# Altium PCB mantarray_beta2_sensor_arrayed.PcbDoc (part 2 of 4) (continued)
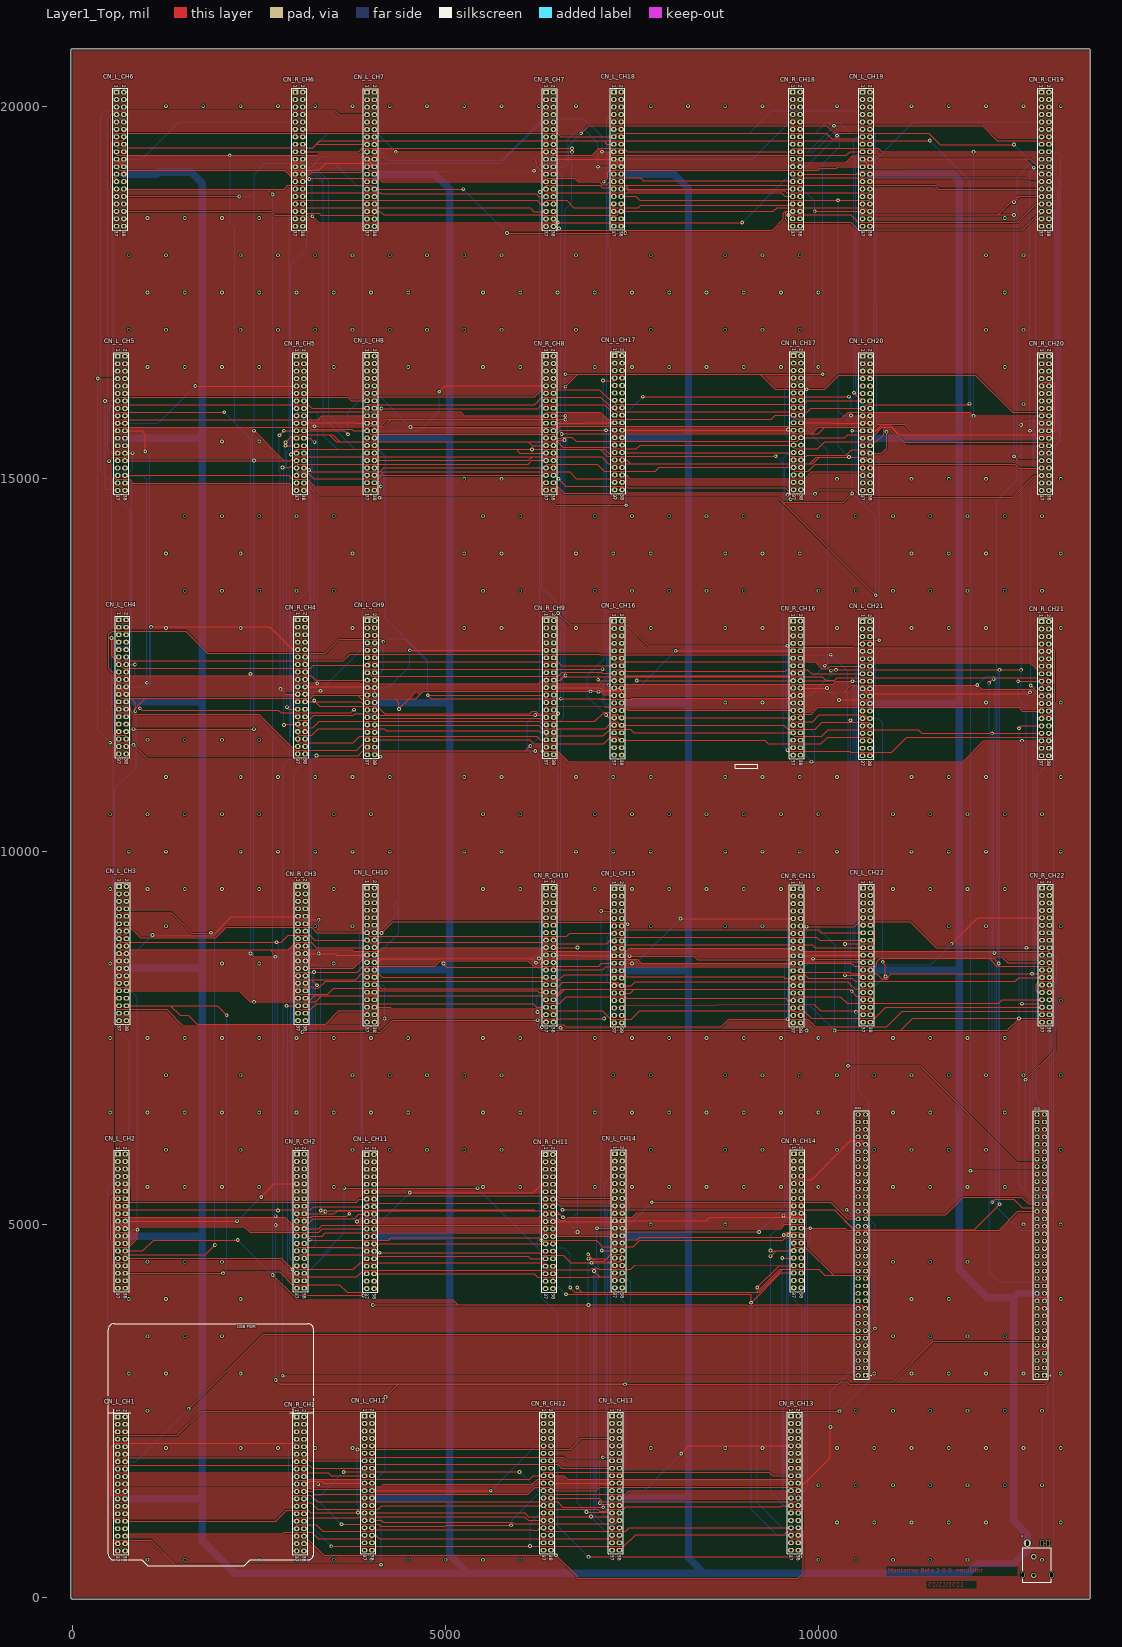
[diagram p0: Layer1_Top view]
## Nets (pads, with @x,y where several pads share a name; then routed paths per layer and width w, separated by ;. In a path a pad name is that pad's centre, name@x,y a point inside that pad or via, vN(x,y) a via of type N, cw(c..) or ccw(c..) an arc to the next point about the centre after c; other vN are vias at no path point) (continued)
CHN_BT0_18: CN_L_CH18.27 CN_L_CH19.7 | length 4339.3
  Layer8_BOT w10: CN_L_CH18.27@7255.39,18888.43 7211.97,18888.43 7200.39,18900 7200.39,19020 7180.39,19040 7180.39,19600 7216.39,19636 9074,19636 9374,19936 10495.8,19936 10544,19887.8 CN_L_CH19.7@10592.46,19887.8
CHN_BT0_19: CN_L_CH19.27 CN_L_CH20.7 | length 2807.1
  Layer8_BOT w10: CN_L_CH19.27@10592.46,18887.8 10592.46,18849.54 10604,18838 10720,18838 10748,18810 10748,16693.62 10749,16692.62 10749,16420 10722,16393 10606.98,16393 10593.98,16380 CN_L_CH20.7@10593.98,16345.12
CHN_BT0_20: CN_L_CH20.27 CN_L_CH21.7 | length 2967
  Layer1_Top w10: CN_L_CH21.7@10592.01,12786.06 10592.01,12820 10608.01,12836 v2(10816,12836)
  Layer8_BOT w10: CN_L_CH20.27@10593.98,15345.12 10593.98,15310 10606.98,15297 10780,15297 10816,15261 v2(10816,12836)
CHN_BT0_21: CN_L_CH21.27 CN_L_CH22.7 | length 2654.6
  Layer8_BOT w10: CN_L_CH21.27@10592.01,11786.06 10576,11786.06 10576,11750 10537.01,11711.01 10537.01,11258.99 10544.88,11251.12 10544.88,9229.38 10563,9211.26 CN_L_CH22.7@10599.88,9211.26
CHN_BT0_22: CN_L_CH22.27
CHN_IN_RST: CN12.43 CN_L_CH1.14 CN_L_CH1.25 | length 13147.9
  Layer1_Top w10: v2(1553,2525) 2557,3529 10684,3529 v2(10760,3605)
  Layer8_BOT w10: CN_L_CH1.25@600.91,1217.8 588,1217.8 588,1250 501.97,1336.03 501.97,1696.06 571.2,1765.3 690,1765.3 700.91,1776.2 CN_L_CH1.14@700.91,1817.8 845.8,1817.8 v2(1553,2525) ; CN12.43@10633.8,5073.62 10680,5073.62 10760,4993.62 v2(10760,3605)
CHN_IN_RST_CH2: CN_L_CH2.14 CN_L_CH2.25 | length 919.8
  Layer1_Top w10: CN_L_CH2.25@603.88,4743.31 560,4743.31 508,4795.31 508,5339 560,5391 685,5391 696,5380 696,5343.31 CN_L_CH2.14@703.88,5343.31
CHN_IN_RST_CH3: CN_L_CH3.14 CN_L_CH3.25 | length 776.6
  Layer1_Top w10: CN_L_CH3.25@619.57,8332.91 583,8332.91 583,8366 564,8385 564,8860 587,8883 702.57,8883 719.57,8900 CN_L_CH3.14@719.57,8932.91
CHN_IN_RST_CH4: CN_L_CH4.14 CN_L_CH4.25 | length 976.2
  Layer1_Top w10: CN_L_CH4.14@715.14,12509.69 v2(831,12509.69)
  Layer8_BOT w10: CN_L_CH4.25@615.14,11909.69 615.14,11950 602.95,11962.19 577.95,11962.19 560.14,11980 560.14,12238.14 580,12258 769,12258 831,12320 v2(831,12509.69)
CHN_IN_RST_CH5: CN_L_CH5.14 CN_L_CH5.25 | length 923.7
  Layer8_BOT w10: CN_L_CH5.25@599.88,15445.12 599.88,15476 548,15476 504,15520 504,16040 557,16093 680,16093 692,16081 692,16045.12 CN_L_CH5.14@699.88,16045.12
CHN_IN_RST_CH6: CN_L_CH6.14 CN_L_CH6.25 | length 784.3
  Layer1_Top w10: CN_L_CH6.25@584.19,18987.8 584.19,19030 573.9,19040.3 540,19040.3 529.19,19051.1 529.19,19527.19 540,19538 672.19,19538 684.19,19550 CN_L_CH6.14@684.19,19587.8
CHN_IN_RST_CH7: CN_L_CH7.14 CN_L_CH7.25 | length 789.3
  Layer8_BOT w10: CN_L_CH7.25@3946.34,18986.46 3900,18986.46 3880,19006.46 3880,19496 3920,19536 4032.34,19536 4046.34,19550 CN_L_CH7.14@4046.34,19586.46
CHN_IN_RST_CH8: CN_L_CH8.14 CN_L_CH8.25 | length 779.7
  Layer8_BOT w10: CN_L_CH8.25@3946.34,15447.09 3903.91,15447.09 3891,15460 3891,15970 3920,15999 4035.34,15999 4046.34,16010 CN_L_CH8.14@4046.34,16047.09
CHN_IN_RST_CH9: CN_L_CH9.14 CN_L_CH9.25 | length 784.1
  Layer8_BOT w10: CN_L_CH9.25@3950.28,11899.84 3905.16,11899.84 3895,11910 3895,12425 3920,12450 4040.28,12450 4050.28,12460 CN_L_CH9.14@4050.28,12499.84
CHN_IN_RST_CH10: CN_L_CH10.14 CN_L_CH10.25 | length 805.1
  Layer8_BOT w10: CN_L_CH10.25@3946.34,8313.23 3891,8313.23 3891,8545.73 3871.34,8565.39 3871.34,8820.34 3912,8861 4030,8861 4046.34,8877.34 CN_L_CH10.14@4046.34,8913.23
CHN_IN_RST_CH11: CN_L_CH11.14 CN_L_CH11.25 | length 773.8
  Layer8_BOT w10: CN_L_CH11.25@3940.43,4738.43 3937.57,4738.43 3865.43,4810.57 3865.43,5240.43 3913,5288 4030,5288 4040.43,5298.43 CN_L_CH11.14@4040.43,5338.43
CHN_IN_RST_CH12: CN_L_CH12.14 CN_L_CH12.25 | length 783.5
  Layer8_BOT w10: CN_L_CH12.25@3912.87,1228.58 3869.27,1228.58 3857,1240.85 3857,1754 3880,1777 4000,1777 4012.87,1789.87 CN_L_CH12.14@4012.87,1828.58
CHN_IN_RST_CH13: CN_L_CH13.14 CN_L_CH13.25 | length 1082.1
  Layer1_Top w10: v2(7069,1262) 7086,1245 7224,1245 7224,1228.58 CN_L_CH13.25@7231.77,1228.58 ; v2(7109,1877) 7320,1877 7331.77,1865.23 CN_L_CH13.14@7331.77,1828.58
  Layer8_BOT w10: v2(7069,1262) 7069,1837 v2(7109,1877)
CHN_IN_RST_CH14: CN_L_CH14.14 CN_L_CH14.25 | length 909.1
  Layer8_BOT w10: CN_L_CH14.25@7270.02,4748.03 7270.02,4779 7248.02,4801 7240,4801 7215.02,4825.98 7215.02,5070.55 7240,5095.53 7430.18,5095.53 7462.6,5127.95 7462.6,5305.43 7420,5348.03 CN_L_CH14.14@7370.02,5348.03
CHN_IN_RST_CH15: CN_L_CH15.14 CN_L_CH15.25 | length 784.9
  Layer8_BOT w10: CN_L_CH15.25@7262.15,8302.76 7262.15,8342.85 7250,8355 7232.15,8355 7187.15,8400 7187.15,8811.15 7229,8853 7350,8853 7362.15,8865.15 CN_L_CH15.14@7362.15,8902.76
CHN_IN_RST_CH16: CN_L_CH16.14 CN_L_CH16.25 | length 824.8
  Layer8_BOT w10: CN_L_CH16.25@7261.3,11893.94 7258.36,11893.94 7126.3,12026 7126.3,12232.74 7206.3,12312.74 7206.3,12425.3 7225,12444 7350,12444 CN_L_CH16.14@7361.3,12493.94
CHN_IN_RST_CH17: CN_L_CH17.14 CN_L_CH17.25 | length 762.2
  Layer8_BOT w10: CN_L_CH17.25@7267.2,15452.99 7267.2,15490 7252.2,15505 7240,15505 7212.2,15532.8 7212.2,15981.2 7234,16003 7350.2,16003 7367.2,16020 CN_L_CH17.14@7367.2,16052.99
CHN_IN_RST_CH18: CN_L_CH18.14 CN_L_CH18.25 | length 765.3
  Layer8_BOT w10: CN_L_CH18.25@7255.39,18988.43 7240,18988.43 7240,19023.83 7200.39,19063.44 7200.39,19520 7216.39,19536 7341.39,19536 CN_L_CH18.14@7355.39,19588.43
CHN_IN_RST_CH19: CN_L_CH19.14 CN_L_CH19.25 | length 887.9
  Layer8_BOT w10: CN_L_CH19.25@10592.46,18987.8 10549.2,18987.8 10537,19000 10537,19314 10560,19337 10725,19337 10748,19360 10748,19587.8 CN_L_CH19.14@10692.46,19587.8
CHN_IN_RST_CH20: CN_L_CH20.14 CN_L_CH20.25 | length 758.5
  Layer8_BOT w10: CN_L_CH20.25@10593.98,15445.12 10591.86,15445.12 10538.98,15498 10538.98,15971.98 10560,15993 10680,15993 10693.98,16006.98 CN_L_CH20.14@10693.98,16045.12
CHN_IN_RST_CH21: CN_L_CH21.14 CN_L_CH21.25 | length 760.2
  Layer8_BOT w10: CN_L_CH21.25@10592.01,11886.06 10589.94,11886.06 10537.01,11939 10537.01,12416.01 10557,12436 10680,12436 10692.01,12448.01 CN_L_CH21.14@10692.01,12486.06
CHN_IN_RST_CH22: CN_L_CH22.14 CN_L_CH22.25 | length 1261.6
  Layer1_Top w10: v2(10358,8343) 10423,8343 10425,8341 10574.88,8341 10599.88,8316 CN_L_CH22.25@10599.88,8311.26 ; v2(10358,8761) 10738,8761 10755,8778 10755,8900 10743.74,8911.26 CN_L_CH22.14@10699.88,8911.26
  Layer8_BOT w10: v2(10358,8343) v2(10358,8761)
E5V: CN11.6
GND: CN11.8 CN11.19 CN11.20 CN11.22 CN11.49 CN11.60 CN12.9 CN12.20 CN12.39 CN12.54 CN12.63 CN_L_CH1.19 CN_L_CH1.20 CN_L_CH1.22 CN_L_CH2.19 CN_L_CH2.20 CN_L_CH2.22 CN_L_CH3.19 CN_L_CH3.20 CN_L_CH3.22 CN_L_CH4.19 CN_L_CH4.20 CN_L_CH4.22 CN_L_CH5.19 CN_L_CH5.20 CN_L_CH5.22 CN_L_CH6.19 CN_L_CH6.20 CN_L_CH6.22 CN_L_CH7.19 CN_L_CH7.20 CN_L_CH7.22 CN_L_CH8.19 CN_L_CH8.20 CN_L_CH8.22 CN_L_CH9.19 CN_L_CH9.20 CN_L_CH9.22 CN_L_CH10.19 CN_L_CH10.20 CN_L_CH10.22 CN_L_CH11.19 CN_L_CH11.20 CN_L_CH11.22 CN_L_CH12.19 CN_L_CH12.20 CN_L_CH12.22 CN_L_CH13.19 CN_L_CH13.20 CN_L_CH13.22 CN_L_CH14.19 CN_L_CH14.20 CN_L_CH14.22 CN_L_CH15.19 CN_L_CH15.20 CN_L_CH15.22 CN_L_CH16.19 CN_L_CH16.20 CN_L_CH16.22 CN_L_CH17.19 CN_L_CH17.20 CN_L_CH17.22 CN_L_CH18.19 CN_L_CH18.20 CN_L_CH18.22 CN_L_CH19.19 CN_L_CH19.20 CN_L_CH19.22 CN_L_CH20.19 CN_L_CH20.20 CN_L_CH20.22 CN_L_CH21.19 CN_L_CH21.20 CN_L_CH21.22 CN_L_CH22.19 CN_L_CH22.20 CN_L_CH22.22 CN_R_CH1.9 CN_R_CH1.20 CN_R_CH2.9 CN_R_CH2.20 CN_R_CH3.9 CN_R_CH3.20 CN_R_CH4.9 CN_R_CH4.20 CN_R_CH5.9 CN_R_CH5.20 CN_R_CH6.9 CN_R_CH6.20 CN_R_CH7.9 CN_R_CH7.20 CN_R_CH8.9 CN_R_CH8.20 CN_R_CH9.9 CN_R_CH9.20 CN_R_CH10.9 CN_R_CH10.20 CN_R_CH11.9 CN_R_CH11.20 CN_R_CH12.9 CN_R_CH12.20 CN_R_CH13.9 CN_R_CH13.20 CN_R_CH14.9 CN_R_CH14.20 CN_R_CH15.9 CN_R_CH15.20 CN_R_CH16.9 CN_R_CH16.20 CN_R_CH17.9 CN_R_CH17.20 CN_R_CH18.9 CN_R_CH18.20 CN_R_CH19.9 CN_R_CH19.20 CN_R_CH20.9 CN_R_CH20.20 CN_R_CH21.9 CN_R_CH21.20 CN_R_CH22.9 CN_R_CH22.20 J1.2 J1.3 | length 125264.9
  Layer1_Top w10: CN_L_CH6.19@584.19,19287.8 584.19,19287.6 684,19187.8 CN_L_CH6.22@684.19,19187.8 ; CN_L_CH5.19@599.88,15745.12 CN_L_CH5.20@699.88,15745.12 ; CN_L_CH1.19@600.91,1517.8 CN_L_CH1.20@700.91,1517.8 ; CN_L_CH2.19@603.88,5043.31 603.88,5042.43 703,4943.31 CN_L_CH2.22@703.88,4943.31 704,4943.31 CN_L_CH2.20@704,5043.31 ; CN_L_CH4.19@615.14,12209.69 615.14,12209.55 715,12109.69 CN_L_CH4.22@715.14,12109.69 ; CN_L_CH3.19@619.57,8632.91 CN_L_CH3.20@719.57,8632.91 ; CN_L_CH5.22@699.88,15645.12 924.88,15645.12 970,15600 v2(970,15366) ; CN_L_CH1.22@700.91,1417.8 700.91,1380 690.91,1370 519.64,1370 513.78,1375.86 513.78,2008.78 571,2066 2990,2066 3000.91,2055.09 CN_R_CH1.9@3000.91,2017.8 ; CN_L_CH2.20@703.88,5043.31 CN_L_CH2.20@704,5043.31 ; v2(1047,13015) 2643,13015 2948.31,12709.69 CN_R_CH4.9@3015.14,12709.69 ; v2(1069,8883) 1079.82,8883 1090.78,8872.05 1875.47,8872.05 2127.43,9124.02 3010.67,9124.02 CN_R_CH3.9@3019.57,9132.91 3019.57,9095.43 3030,9085 v2(3297,9085) ; v2(1643.12,16245.12) CN_R_CH5.9@2999.88,16245.12 ; v2(2202.31,5043.31) CN_L_CH2.20@704,5043.31 ; v2(2527,5368) 2702.31,5543.31 CN_R_CH2.9@3003.88,5543.31 ; CN_R_CH6.20@3084.19,19287.8 3070,19287.8 3070,19261 3049,19240 2949,19240 2929,19220 2929,19160 2949,19140 3298,19140 3392,19234 3980,19234 4002,19212 4002,19186.46 CN_L_CH7.22@4046,19186.46 ; CN_R_CH5.20@3099.88,15745.12 3157.12,15745.12 3165,15753 3801,15753 3806.91,15747.09 CN_L_CH8.19@3946.34,15747.09 CN_L_CH8.20@4046.34,15747.09 ; CN_R_CH1.20@3100.91,1517.8 3139.8,1517.8 3177,1555 3341,1555 3367.42,1528.58 CN_L_CH12.19@3912.87,1528.58 CN_L_CH12.20@4012.87,1528.58 ; CN_R_CH4.20@3115.14,12209.69 3950.28,12209.69 CN_L_CH9.19@3950.28,12199.84 CN_L_CH9.20@4050.28,12199.84 CN_L_CH9.22@4050.28,12099.84 ; CN_R_CH3.20@3119.57,8632.91 v2(3297,8632.91) 3523,8632.91 3542.69,8613.23 CN_L_CH10.19@3946.34,8613.23 CN_L_CH10.20@4046.34,8613.23 ; CN_L_CH11.19@3940.43,5038.43 CN_L_CH11.20@4040.43,5038.43 ; CN_L_CH12.22@4012.87,1428.58 v2(5606,1428.58) ; CN_L_CH10.22@4046.34,8513.23 4093,8513.23 4142.77,8563 6160,8563 v2(6213,8510) ; CN_L_CH7.22@4046.34,19186.46 CN_L_CH7.22@4046,19186.46 ; CN_L_CH7.20@4046.34,19286.46 CN_L_CH7.19@3946.34,19286.46 3946.34,19286.12 CN_L_CH7.22@4046,19186.46 ; v2(4518,5426) 6175,5426 6287.43,5538.43 CN_R_CH11.9@6340.43,5538.43 ; v2(4519.84,12699.84) CN_R_CH9.9@6350.28,12699.84 ; v2(4915,16168) 4994.09,16247.09 CN_R_CH8.9@6346.34,16247.09 ; CN_R_CH12.20@6412.87,1528.58 CN_L_CH13.19@7231.77,1528.58 CN_L_CH13.20@7331.77,1528.58 ; CN_R_CH11.20@6440.43,5038.43 6510.29,5038.43 6512.88,5035.83 CN_L_CH14.19@7282.2,5035.83 ; CN_R_CH10.20@6446.34,8613.23 6780.23,8613.23 6790.7,8602.76 CN_L_CH15.19@7262.15,8602.76 CN_L_CH15.20@7362.15,8602.76 ; CN_R_CH8.20@6446.34,15747.09 6853,15747.09 6858.91,15752.99 CN_L_CH17.19@7267.2,15752.99 CN_L_CH17.20@7367.2,15752.99 ; CN_R_CH7.20@6446.34,19286.46 CN_L_CH18.19@7256.97,19286.46 ; CN_R_CH9.20@6450.28,12199.84 7068,12199.84 7107.15,12160.69 7294.25,12160.69 ; CN_L_CH18.20@7355.39,19288.43 CN_L_CH18.19@7255.39,19288.43 7255.39,19288.03 CN_L_CH18.19@7256.97,19286.46 ; CN_L_CH16.22@7361.3,12093.94 7361.3,12140 7340.61,12160.69 7294.25,12160.69 ; CN_L_CH16.20@7361.3,12193.94 CN_L_CH16.19@7261.3,12193.94 7261.3,12193.64 7294.25,12160.69 ; CN_L_CH17.22@7367.2,15652.99 9581.99,15652.99 v2(9592,15663) ; CN_L_CH14.22@7370.02,4948.03 7370.02,4998 7332.19,5035.83 CN_L_CH14.19@7282.2,5035.83 ; v2(8085,12694) 8085.06,12693.94 CN_R_CH16.9@9661.3,12693.94 ; v2(8151.76,9102.76) CN_R_CH15.9@9662.15,9102.76 ; v2(8160,1926) 8262.58,2028.58 CN_R_CH13.9@9631.77,2028.58 ; v2(9531,5117) 9552,5096 ; CN_R_CH14.9@9670.02,5548.03 9670.02,5590 9680.02,5600 9909,5600 10428,6119 10584,6119 10592,6111 10592,6073.62 CN12.63@10633.8,6073.62 ; CN_R_CH13.20@9731.77,1528.58 9820,1528.58 10162,1870.58 v2(10162,2282) ; CN_R_CH16.20@9761.3,12193.94 v2(10117.06,12193.94) ; CN_R_CH15.20@9762.15,8602.76 9906,8602.76 9914.5,8611.26 CN_L_CH22.19@10599.88,8611.26 CN_L_CH22.20@10699.88,8611.26 ; CN_R_CH17.20@9767.2,15752.99 10176,15752.99 10183.87,15745.12 CN_L_CH20.19@10593.98,15745.12 CN_L_CH20.20@10693.98,15745.12 ; v2(10277,12034) 10680,12034 10680,12074.05 CN_L_CH21.22@10692.01,12086.06 CN_L_CH21.19@10592.01,12186.06 CN_L_CH21.20@10692.01,12186.06 10692.01,12140 10713.01,12119 12823,12119 v2(12840,12136) ; CN_L_CH19.22@10692.46,19187.8 10692,19187.8 10592.46,19287.34 CN_L_CH19.19@10592.46,19287.8 CN_L_CH19.20@10692.46,19287.8 ; CN_L_CH20.22@10693.98,15645.12 10778,15645.12 10843.88,15711 10972,15711 11088,15595 13124,15595 13169,15640 13169,16273 13149,16293 13006.98,16293 CN_R_CH20.9@12993.98,16245.12 ; v2(11788,8763) 12136.26,9111.26 CN_R_CH22.9@12999.88,9111.26 ; CN11.8@12933.8,3273.62 12933.8,3310 12946.8,3323 13060,3323 13085,3348 13085,3860 13071.38,3873.62 CN11.19@13033.8,3873.62 CN11.20@12933.8,3873.62 ; CN11.22@12933.8,3973.62 12933.8,4010 12947.8,4024 13060,4024 13085,4049 13085,5360 13071.38,5373.62 CN11.49@13033.8,5373.62 ; J1.3@13000.24,724.06 J1.2@13078.98,724.06 ; CN_L_CH18.19@7256.97,19286.46 7308.94,19286.46 7355.39,19240 CN_L_CH18.22@7355.39,19188.43 7355,19188.43 CN_L_CH18.19@7256.97,19286.46 ; CN_L_CH14.19@7282.2,5035.83 CN_L_CH14.19@7270.02,5048.03 CN_L_CH14.20@7370.02,5048.03 8496,5048.03 8543.97,5096 9552,5096 ; 9552,5096 9697,5096 ; 9697,5096 9760,5096 9770.02,5085.98 CN_R_CH14.20@9770.02,5048.03 9744.97,5048.03 9697,5096
  Layer8_BOT w10: CN_L_CH5.19@599.88,15745.12 CN_L_CH5.20@699.88,15745.12 ; CN_L_CH4.19@615.14,12209.69 CN_L_CH4.20@715.14,12209.69 ; CN_L_CH3.19@619.57,8632.91 CN_L_CH3.20@719.57,8632.91 ; CN_L_CH6.22@684.19,19187.8 CN_L_CH6.20@684.19,19287.8 924.8,19287.8 1424.8,19787.8 2940,19787.8 ; CN_L_CH5.22@699.88,15645.12 CN_L_CH5.20@699.88,15745.12 ; CN_L_CH1.22@700.91,1417.8 CN_L_CH1.20@700.91,1517.8 ; CN_L_CH4.22@715.14,12109.69 CN_L_CH4.20@715.14,12209.69 ; CN_L_CH3.22@719.57,8532.91 CN_L_CH3.20@719.57,8632.91 ; v2(970,15366) 1032,15304 1032,12241.69 ; v2(1047,13015) 1047,12256.69 1032,12241.69 ; v2(1069,8883) 818.91,8632.91 CN_L_CH3.20@719.57,8632.91 ; v2(1643.12,16245.12) 1143.12,15745.12 CN_L_CH5.20@699.88,15745.12 ; v2(2202.31,5043.31) v2(2527,5368) ; CN_R_CH6.9@2984.19,19787.8 2940,19787.8 ; CN_R_CH5.9@2999.88,16245.12 2985,16245.12 2985,16214 2944.88,16173.88 2944.88,15820 2967.26,15797.62 3082.26,15797.62 3099.88,15780 CN_R_CH5.20@3099.88,15745.12 ; CN_R_CH1.9@3000.91,2017.8 2960,2017.8 2895.67,1953.47 2895.67,1629.33 2957,1568 3090,1568 3100.91,1557.09 CN_R_CH1.20@3100.91,1517.8 ; CN_R_CH4.9@3015.14,12709.69 3015.14,12670 2990.14,12670 2960.14,12640 2960.14,12280 2981.14,12259 3100,12259 3115.14,12243.86 CN_R_CH4.20@3115.14,12209.69 ; CN_R_CH6.20@3084.19,19287.8 3084.19,19323.81 3070,19338 2951,19338 2929,19360 2929,19776.8 2940,19787.8 ; v2(3297,8632.91) v2(3297,9085) ; CN_L_CH11.19@3940.43,5038.43 CN_L_CH11.20@4040.43,5038.43 ; CN_L_CH11.22@4040.43,4938.43 CN_L_CH11.20@4040.43,5038.43 ; CN_L_CH8.20@4046.34,15747.09 CN_L_CH8.22@4046.34,15647.09 4650.09,15647.09 4915,15912 v2(4915,16168) ; CN_L_CH7.20@4046.34,19286.46 4046.34,19244.66 4060,19231 5735.54,19231 6291,19786.46 ; CN_L_CH9.20@4050.28,12199.84 4229.84,12199.84 4519.84,12489.84 v2(4519.84,12699.84) ; v2(4518,5426) 4130.43,5038.43 CN_L_CH11.20@4040.43,5038.43 ; v2(5606,1428.58) 6206,2028.58 6270,2028.58 ; v2(6213,8510) 6213,8590 6291,8668 6291,8692 ; CN_R_CH12.9@6312.87,2028.58 6270,2028.58 ; CN_R_CH11.9@6340.43,5538.43 6300,5538.43 6285,5523.43 6285,5100 6297,5088 6430,5088 6440.43,5077.57 CN_R_CH11.20@6440.43,5038.43 ; CN_R_CH10.9@6346.34,9113.23 6346.34,9073 6320,9073 6291,9044 6291,8692 ; CN_R_CH8.9@6346.34,16247.09 6291,16247.09 6291,15820 6314,15797 6430,15797 6446.34,15780.66 CN_R_CH8.20@6446.34,15747.09 ; CN_R_CH7.9@6346.34,19786.46 6291,19786.46 ; CN_R_CH9.9@6350.28,12699.84 6310,12699.84 6295,12684.84 6295,12275 6320,12250 6440.28,12250 6450.28,12240 CN_R_CH9.20@6450.28,12199.84 ; CN_R_CH12.20@6412.87,1528.58 6412.87,1566.13 6400,1579 6278,1579 6257,1600 6257,2015.58 6270,2028.58 ; CN_R_CH10.20@6446.34,8613.23 6446.34,8650 6433.34,8663 6320,8663 6291,8692 ; CN_R_CH7.20@6446.34,19286.46 6446.34,19320 6430.34,19336 6315,19336 6291,19360 6291,19786.46 ; CN_L_CH13.20@7331.77,1528.58 CN_L_CH13.22@7331.77,1428.58 7662.58,1428.58 v2(8160,1926) ; CN_L_CH18.20@7355.39,19288.43 9110,19288.43 9600,19778.43 ; CN_L_CH16.20@7361.3,12193.94 7584.94,12193.94 v2(8085,12694) ; CN_L_CH15.20@7362.15,8602.76 CN_L_CH15.22@7362.15,8502.76 7551.76,8502.76 v2(8151.76,9102.76) ; CN_L_CH17.22@7367.2,15652.99 CN_L_CH17.20@7367.2,15752.99 ; v2(9531,5117) 9531,5137 9583,5189 9583,5511.03 9620,5548.03 CN_R_CH14.9@9670.02,5548.03 ; v2(9592,15663) 9592,15680 9612,15700 9612,15831 ; CN_R_CH13.9@9631.77,2028.58 9590,2028.58 9576,2014.58 9576,1600 9597,1579 9720,1579 9731.77,1567.23 CN_R_CH13.20@9731.77,1528.58 ; CN_R_CH18.9@9655.39,19788.43 9610,19788.43 9600,19778.43 ; CN_R_CH16.9@9661.3,12693.94 9619.94,12693.94 9606,12680 9606,12258 9620,12244 9750,12244 9761.3,12232.7 CN_R_CH16.20@9761.3,12193.94 ; CN_R_CH15.9@9662.15,9102.76 9619.76,9102.76 9587.15,9070.15 9587.15,8699.85 9634,8653 9750,8653 CN_R_CH15.20@9762.15,8602.76 ; CN_R_CH18.20@9755.39,19288.43 9755.39,19322.61 9740,19338 9620,19338 9600,19358 9600,19618 ; CN_R_CH17.20@9767.2,15752.99 9767.2,15790 9754.2,15803 9640,15803 9612,15831 ; v2(10117.06,12193.94) v2(10277,12034) ; v2(10162,2282) 10162,2754 10437.09,3029.09 10660,3029.09 10684.23,3053.33 10684.23,3093.92 10660,3118.15 10504.85,3118.15 10483,3140 10483,3302 10500,3319 10612.8,3319 10633.8,3340 CN12.9@10633.8,3373.62 10633.8,3410.2 10620,3424 10499,3424 10483,3440 10483,3802 10520,3839 10533.8,3839 CN12.20@10533.8,3873.62 10483,3873.62 10483,4800 10507,4824 10620,4824 10633.8,4837.8 CN12.39@10633.8,4873.62 10633.8,4910 10620.8,4923 10500,4923 10463.37,4959.63 10463.37,5243.62 10483,5263.26 10483,5560 10496.62,5573.62 ; CN12.54@10533.8,5573.62 10496.62,5573.62 ; CN12.63@10633.8,6073.62 10633.8,6037.8 10620,6024 10507,6024 10483,6000 10483,5573.62 10496.62,5573.62 ; CN_L_CH19.22@10692.46,19187.8 10740,19187.8 10768,19215.8 10768,19287.8 ; CN_L_CH19.20@10692.46,19287.8 10768,19287.8 ; CN_L_CH20.22@10693.98,15645.12 CN_L_CH20.20@10693.98,15745.12 ; CN_L_CH22.20@10699.88,8611.26 CN_L_CH22.22@10699.88,8511.26 10781.74,8511.26 10812,8481 11506,8481 v2(11788,8763) ; v2(12840,12136) 12937,12233 12937,12259 ; CN11.8@12933.8,3273.62 12933.8,3239.2 12949,3224 13061,3224 13085,3200 13085,2513 13000.24,2428.24 J1.3@13000.24,724.06 ; CN11.20@12933.8,3873.62 CN11.22@12933.8,3973.62 ; CN11.60@12933.8,5873.62 12896.62,5873.62 12883,5860 12883,5440 12899,5424 12961,5424 ; CN_R_CH21.9@12992.01,12686.06 12950,12686.06 12937,12673.06 12937,12259 ; CN_R_CH19.9@12992.46,19787.8 12950,19787.8 ; CN_R_CH20.9@12993.98,16245.12 12993.98,16210 13007.98,16196 13120,16196 13149,16167 13149,15760 13134.12,15745.12 ; CN_R_CH22.9@12999.88,9111.26 12997.14,9111.26 12944.88,9059 12944.88,8678.88 12960,8663.76 13086.12,8663.76 13099.88,8650 CN_R_CH22.20@13099.88,8611.26 13155,8611.26 ; CN11.49@13033.8,5373.62 13033.8,5410.2 13020,5424 12961,5424 ; J1.2@13078.98,724.06 13078.98,680 13115,680 13155,720 13155,5080 ; CN_R_CH20.20@13093.98,15745.12 13134.12,15745.12 ; CN_L_CH4.20@715.14,12209.69 1000,12209.69 1032,12241.69 ; 9600,19618 9600,19778.43 ; 9600,19618 9620,19638 9956,19638 10097,19779 10289,19779 10432,19636 10740,19636 10768,19608 10768,19287.8 ; 9612,15831 9612,16240 ; 9612,16240 CN_R_CH17.9@9667.2,16252.99 9624.99,16252.99 9612,16240 ; 10768,19287.8 10777.8,19287.8 11277.8,19787.8 12950,19787.8 ; 12937,12259 12960,12236 13080,12236 13092.01,12223.99 CN_R_CH21.20@13092.01,12186.06 13140.94,12186.06 13167.01,12160 13167.01,11218.56 13155,11206.56 13155,8611.26 ; 12950,19787.8 12937,19774.8 12937,19360 12959,19338 13080,19338 13092.46,19325.54 CN_R_CH19.20@13092.46,19287.8 13148,19287.8 13148,19160 13125,19137 12960,19137 12924,19101 12924,18760 12946,18738 13174,18738 13188,18724 13188,15745.25 13187.87,15745.12 13134.12,15745.12 ; 12961,5424 12985,5400 12985,5344.09 12970,5329.09 12912.09,5329.09 12883,5300 12883,5040 12899,5024 13099,5024 13155,5080 ; 13155,5080 13155,7591 13195,7631 13195,8571.26 13155,8611.26
  other v1: 1000,500 1500,500 2500,500 3000,500 3500,500 4000,500 4500,500 5000,500 5500,500 6000,500 10000,500 10500,500 11000,500 11500,500 12000,500 13000,500 10250,1000 10750,1000 11250,1000 11750,1000 12250,1000 13250,1000 10000,1500 10500,1500 11000,1500 11500,1500 12000,1500 12500,1500 13000,1500 1250,2000 2250,2000 2750,2000 3250,2000 3750,2000 7750,2000 8750,2000 9250,2000 10250,2000 10750,2000 11250,2000 11750,2000 12250,2000 12750,2000 13250,2000 1000,2500 10500,2500 11000,2500 11500,2500 12000,2500 12500,2500 13000,2500 750,3000 1250,3000 2250,3000 10750,3000 11250,3000 11750,3000 12250,3000 12750,3000 13250,3000 1000,3500 1500,3500 2000,3500 11000,3500 11500,3500 12000,3500 12500,3500 750,4000 1250,4000 2250,4000 11250,4000 11750,4000 13250,4000 1000,4500 1500,4500 2000,4500 11000,4500 11500,4500 12000,4500 7750,5000 8750,5000 12750,5000 13250,5000 1000,5500 1500,5500 2000,5500 2500,5500 3500,5500 5500,5500 6000,5500 7000,5500 7500,5500 8000,5500 8500,5500 9000,5500 9500,5500 10000,5500 11000,5500 11500,5500 12000,5500 12500,5500 1250,6000 2250,6000 3750,6000 4250,6000 4750,6000 5250,6000 5750,6000 7750,6000 8750,6000 9250,6000 10250,6000 10750,6000 11250,6000 11750,6000 12250,6000 13250,6000 500,6500 1000,6500 1500,6500 2000,6500 2500,6500 3000,6500 3500,6500 4000,6500 4500,6500 5500,6500 6000,6500 7000,6500 7500,6500 8000,6500 8500,6500 9000,6500 9500,6500 10000,6500 11000,6500 11500,6500 12500,6500 1250,7000 2250,7000 3750,7000 4250,7000 4750,7000 5250,7000 5750,7000 7250,7000 7750,7000 8750,7000 9250,7000 9750,7000 10250,7000 10750,7000 11250,7000 11750,7000 12250,7000 12750,7000 13250,7000 500,7500 1000,7500 1500,7500 2000,7500 2500,7500 3000,7500 3500,7500 4000,7500 4500,7500 5500,7500 6000,7500 7000,7500 7500,7500 8000,7500 8500,7500 9000,7500 9500,7500 10000,7500 11000,7500 11500,7500 12000,7500 12500,7500 13250,8000 500,8500 2000,8500 2500,8500 3500,8500 7500,8500 1250,9000 3250,9000 3750,9000 7750,9000 8750,9000 9250,9000 11750,9000 12250,9000 13250,9000 500,9500 1000,9500 1500,9500 2000,9500 2500,9500 3500,9500 5500,9500 6000,9500 7000,9500 7500,9500 8000,9500 8500,9500 9000,9500 9500,9500 10000,9500 11000,9500 11500,9500 12000,9500 12500,9500 750,10000 1250,10000 2250,10000 2750,10000 3250,10000 3750,10000 4250,10000 5250,10000 5750,10000 6750,10000 7250,10000 7750,10000 8750,10000 9250,10000 9750,10000 10250,10000 11250,10000 11750,10000 12250,10000 13250,10000 500,10500 1000,10500 1500,10500 2000,10500 2500,10500 3500,10500 4000,10500 5500,10500 6000,10500 7000,10500 7500,10500 8000,10500 8500,10500 9000,10500 9500,10500 10000,10500 11000,10500 11500,10500 12000,10500 12500,10500 13000,10500 1250,11000 2250,11000 2750,11000 3250,11000 3750,11000 4250,11000 5250,11000 5750,11000 6750,11000 7250,11000 7750,11000 8750,11000 9250,11000 9750,11000 10250,11000 11250,11000 11750,11000 12250,11000 13250,11000 1000,11500 1500,11500 2000,11500 2500,11500 8750,12000 9250,12000 12250,12000 13250,12000 1250,13000 2250,13000 3750,13000 5250,13000 5750,13000 6750,13000 7750,13000 8750,13000 9250,13000 10250,13000 11250,13000 11750,13000 12250,13000 13250,13000 1500,13500 2000,13500 2500,13500 3000,13500 3500,13500 5500,13500 6000,13500 7000,13500 7500,13500 8000,13500 8500,13500 9000,13500 10000,13500 10500,13500 11000,13500 11500,13500 12000,13500 12500,13500 13000,13500 1250,14000 2250,14000 3750,14000 5250,14000 5750,14000 6750,14000 7250,14000 7750,14000 8750,14000 9250,14000 9750,14000 11250,14000 11750,14000 12250,14000 13250,14000 1500,14500 2000,14500 2500,14500 3000,14500 3500,14500 5500,14500 6000,14500 7000,14500 7500,14500 8000,14500 8500,14500 9000,14500 10000,14500 10500,14500 11000,14500 11500,14500 12000,14500 12500,14500 13000,14500 5250,15000 5750,15000 10250,15000 11250,15000 11750,15000 12250,15000 13250,15000 2000,15500 2500,15500 12750,16000 1000,16500 1500,16500 2000,16500 2500,16500 3500,16500 4500,16500 5500,16500 6000,16500 7000,16500 7500,16500 8000,16500 8500,16500 9000,16500 9500,16500 10000,16500 12500,16500 750,17000 1250,17000 2250,17000 2750,17000 3250,17000 3750,17000 4250,17000 4750,17000 5250,17000 5750,17000 6750,17000 7750,17000 8750,17000 9250,17000 9750,17000 12250,17000 12750,17000 1000,17500 1500,17500 2000,17500 2500,17500 3000,17500 3500,17500 4000,17500 4500,17500 5500,17500 6000,17500 6500,17500 7000,17500 7500,17500 8000,17500 8500,17500 9000,17500 9500,17500 10000,17500 12500,17500 750,18000 1250,18000 2250,18000 2750,18000 3250,18000 3750,18000 4250,18000 4750,18000 5250,18000 5750,18000 6750,18000 7750,18000 8750,18000 9250,18000 9750,18000 12250,18000 12750,18000 1000,18500 1500,18500 2000,18500 2500,18500 12500,18500 1250,20000 1750,20000 2250,20000 2750,20000 3250,20000 3750,20000 4250,20000 4750,20000 5250,20000 5750,20000 6250,20000 6750,20000 7750,20000 8250,20000 8750,20000 9250,20000 10250,20000 11250,20000 11750,20000 12250,20000 12750,20000 13250,20000